# Altium PCB Brushed_PCB.PcbDoc (part 2 of 2)
Units mil, origin at the board's own origin, x right, y up, seen from the top; angles counter-clockwise.
Board outline 5346.98 x 2308.22 mil, 2 copper layers (Top Layer, Bottom Layer); 144 components, 135 nets, 552 pads, 124 vias.
Unrouted connection lines stored in the file: 100.
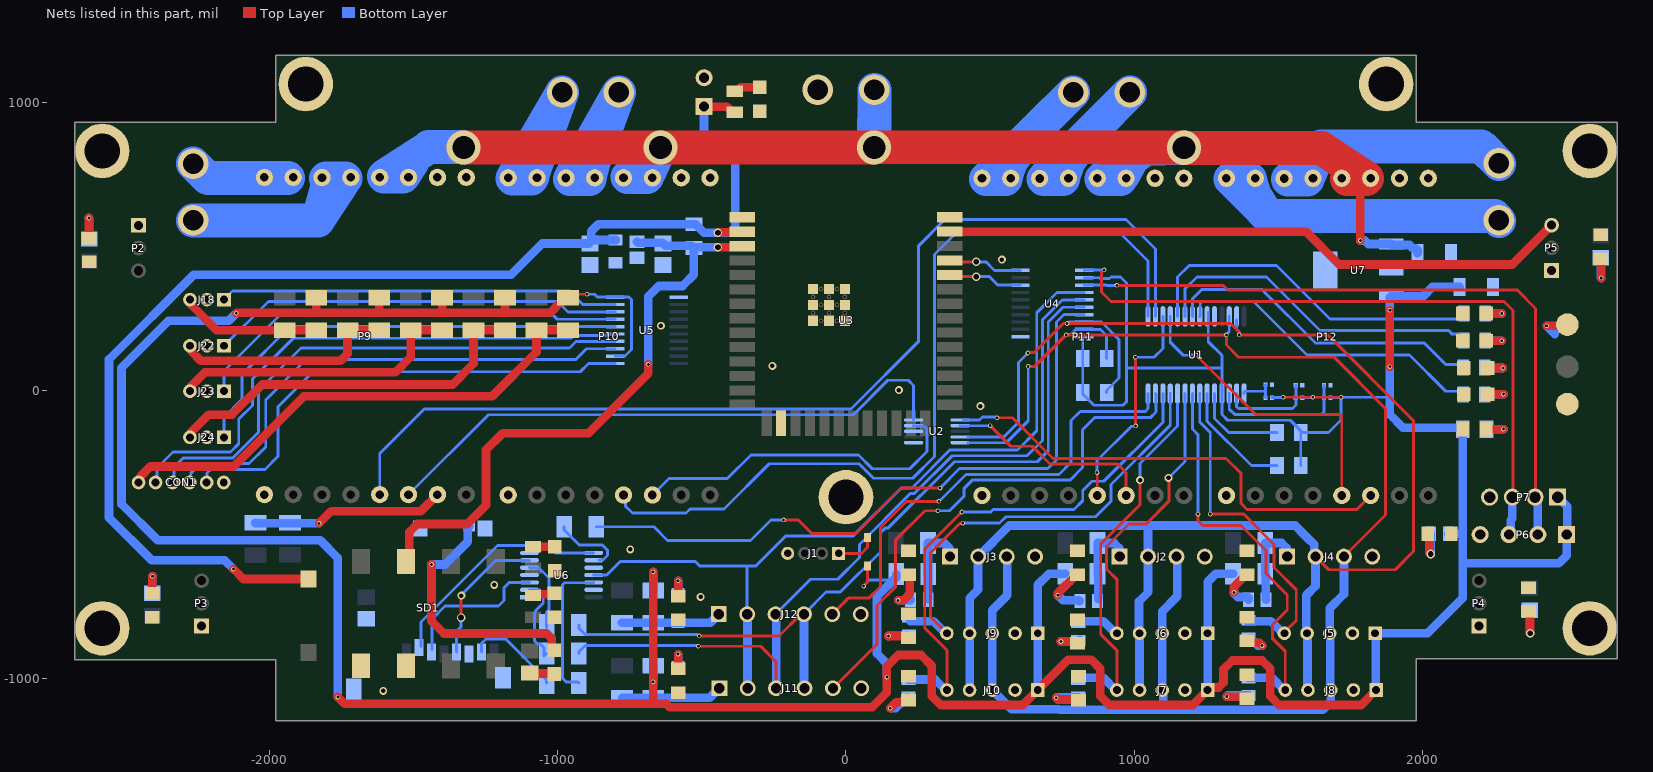
[diagram p2: the nets of this part, all layers, seen from the top]

## Via types
v1: diameter 15.75, hole 10, Top Layer to Bottom Layer, 88 vias
v2: diameter 29.53, hole 19.68, Top Layer to Bottom Layer, 20 vias
v3: diameter 27.56, hole 15.75, Top Layer to Bottom Layer, 12 vias
v4: diameter 118.11, hole 78.74, Top Layer to Bottom Layer, 4 vias

## Nets (pads, with @x,y where several pads share a name; then routed paths per layer and width w, separated by ;. In a path a pad name is that pad's centre, name@x,y a point inside that pad or via, vN(x,y) a via of type N, cw(c..) or ccw(c..) an arc to the next point about the centre after c; other vN are vias at no path point) (continued)
39: P5.3 U3.39 | length 2189.7
  Top Layer w30: U3.39@360.24,550.79 1595.87,550.79 1709.65,437.01 2310.16,437.01 P5.3@2446.37,573.21
+5: +.2 C7.1 D1.1 J5.1 J6.1 J7.1 J8.1 J9.1 J10.1 P6.1 P7.1 R1.2 R2.2 R3.2 R4.2 R34.2 T1.1 U1.9 U1.18 U4.2 U4.10 U5.2 U5.10 U7.3 W1.2 W3.2 W5.2 W7.2 W8.2 W9.2 W10.2 W18.2 W19.2 W20.2 W21.2 W22.2 W27.2 | length 16165.5
  Top Layer w10: W7.2@-964.01,320.98 -951.33,333.66 v1(-897.64,333.66) ; v1(60.82,-678.41) 60.82,-676.85 74.8,-662.87 D1.1@74.8,-608.27 ; v1(1515.75,-23.62) v1(1618.11,-23.62) v1(1716.54,-23.62)
  Top Layer w30: v1(-2114.17,267.72) -2112.87,269.02 -1836.87,269.02 ; W27.2@-1826.24,320.98 W27.2@-1836.87,320.98 -1836.87,269.02 ; v1(-1761.81,-1062.99) -1738.19,-1086.61 -668.49,-1086.61 ; -1618.65,272.64 W8.2@-1618.65,320.98 ; -1400.44,272.64 W9.2@-1400.44,320.98 ; W10.2@-1204.82,309.02 -1192.85,320.98 W10.2@-1182.22,320.98 -1182.22,269.02 ; W7.2@-964.01,320.98 -974.64,320.98 -1010.52,285.1 -1010.52,283.66 -1025.16,269.02 -1182.22,269.02 ; v1(-668.49,-628.34) -668.49,-1086.61 ; J8.1@1837.96,-1038.62 1786.35,-1090.24 1501.62,-1090.24 1471.38,-1060 1471.38,-965.04 1442.29,-935.95 1339.64,-935.95 1309.06,-966.54 1309.06,-1012.43 1291.48,-1030 1262.56,-1030 J7.1@1253.94,-1038.62 1202.32,-1090.24 912.5,-1090.24 881.89,-1059.63 881.89,-964.57 850.39,-933.07 770.28,-933.07 J10.1@664.73,-1038.62 613.12,-1090.24 328.39,-1090.24 297.24,-1059.09 297.24,-954.72 259.84,-917.32 181.1,-917.32 141.73,-956.69 v1(141.73,-993.68) 141.73,-1047.24 90.55,-1098.43 -610.68,-1098.43 -622.49,-1086.61 -668.49,-1086.61 ; v1(1885.83,82.68) v1(1885.83,278.07) ; v1(2429.13,224.41) 2497.01,224.41 T1.1@2500.8,228.2 ; -1836.87,269.02 -1182.22,269.02
  Bottom Layer w10: v1(-897.64,333.66) -872.05,333.66 -862.2,323.82 U5.10@-800.2,323.82 -752.95,323.82 -744.09,314.96 -744.09,142.17 -766.27,120 -799.29,120 U5.2@-800.2,119.09 ; v1(60.82,-678.41) 81.75,-657.48 W19.2@152.95,-657.48 ; U4.10@825.97,186.17 821.74,186.17 820.83,185.26 R3.2@820.83,110.24 R4.2@820.83,-6.4 820.83,-12.34 859.68,-51.18 960.63,-51.18 972.44,-39.37 972.44,77.69 ; U4.2@825.97,390.89 878.59,390.89 880.86,388.62 913.45,388.62 918.69,393.86 951.27,393.86 972.44,372.69 972.44,77.69 ; U1.9@1256.01,271.14 1256.01,169.18 1303.34,121.86 U1.18@1303.34,-10.68 1303.34,-82.86 1323.58,-103.11 1540.18,-103.11 1576.81,-139.73 R2.2@1576.81,-145.67 ; 1298.28,77.69 972.44,77.69 ; W5.2@1476.77,-24.75 1477.34,-24.19 1515.18,-24.19 v1(1515.75,-23.62) ; R1.2@1576.81,-259.84 R2.2@1576.81,-145.67 ; W3.2@1581.93,-24.75 1616.98,-24.75 v1(1618.11,-23.62) ; W1.2@1679.61,-24.75 1680.17,-24.19 1715.97,-24.19 v1(1716.54,-23.62) ; 1885.83,-17.07 1879.28,-23.62 v1(1716.54,-23.62) ; R2.2@1576.81,-145.67 1673.23,-145.67 1716.54,-102.36 v1(1716.54,-23.62)
  Bottom Layer w30: v1(-2114.17,267.72) -2140.25,241.64 -2348.91,241.64 -2511.81,78.74 -2511.81,-393.7 -2385.83,-519.68 -1822.83,-519.68 -1761.81,-580.71 v1(-1761.81,-1062.99) ; v1(-668.49,-1009.74) W21.2@-668.49,-953.79 ; v1(-668.49,-628.34) -667.9,-628.93 W22.2@-667.9,-693.44 ; v1(141.73,-993.68) 141.73,-946.55 107.43,-912.25 107.43,-713.63 173.88,-647.19 W19.2@173.88,-636.56 ; J10.1@664.73,-1038.62 J9.1@664.73,-841.77 664.73,-673.85 703.5,-635.08 W18.2@760.16,-635.08 ; J7.1@1253.94,-1038.62 J6.1@1253.94,-841.77 1253.94,-663.39 1282.24,-635.08 W20.2@1341.69,-635.08 ; J8.1@1837.96,-1038.62 1836.3,-1036.97 1836.3,-843.43 J5.1@1834.65,-841.77 2016.49,-841.77 2137.86,-720.41 2137.86,-599.5 ; v1(1885.83,82.68) 1885.83,-17.07 1885.83,-83.41 1931.4,-128.98 2132.35,-128.98 R34.2@2137.86,-134.48 2137.86,-496.36 ; v1(1885.83,278.07) 1885.83,323.07 1889.53,326.77 2001.1,326.77 2033.58,359.25 C7.1@2126.97,359.25 ; +.2@2088.06,-496.36 2137.86,-496.36 ; v1(2429.13,224.41) 2457.72,195.82 ; P7.1@2457.58,-359.75 2500.25,-402.42 2500.25,-498.08 P6.1@2498.67,-499.66 2498.67,-572.2 2471.37,-599.5 2137.86,-599.5 ; 2137.86,-599.5 2137.86,-496.36
Card_Detect: D12.1 SD1.9 | length 898
  Top Layer w30: v1(-1437.01,-603.31) -1437.01,-799.43 -1393.92,-842.52 -1037.46,-842.52 -1019.88,-860.09 -1019.88,-891.9 D12.1@-1011.26,-900.52
  Bottom Layer w30: v1(-1437.01,-603.31) -1390.05,-603.31 -1311.38,-524.64 -1311.38,-473.43 -1307.68,-469.73 SD1.9@-1306.69,-469.73
EN: C3.2 C5.2 R5.1 SW4.1 U3.3 | length 2195.1
  Top Layer w30: SW4.1@-1525.59,-592.72 -1525.35,-592.96 -1519.69,-592.96 -1513.78,-587.05 -1513.78,-490.4 -1486.22,-462.84 -1313.23,-462.84 -1248.03,-397.64 -1248.03,-205.8 -1190.25,-148.02 -892.76,-148.02 -685.04,59.69 v1(-685.04,90.55) ; v2(-443.9,496.06) -370.08,496.06 U3.3@-368.11,498.03
  Bottom Layer w30: C3.2@-724.58,515.75 -721.62,512.8 -636.81,512.8 C5.2@-633.86,509.84 -625.77,501.75 -535.6,501.75 R5.1@-527.52,493.67 ; v1(-685.04,90.55) -685.04,326.77 -649.61,362.2 -566.93,362.2 -527.52,401.62 R5.1@-527.52,493.67 ; v2(-443.9,496.06) -525.12,496.06 R5.1@-527.52,493.67
GND: C1.2 C2.2 C3.1 C4.1 C5.1 C6.2 C7.2 CON1.6 D2.1 D3.1 D4.1 D5.1 D6.1 D7.1 D8.1 D9.1 D10.1 D11.1 D13.1 D14.1 D15.1 D16.1 D17.1 D18.1 D19.1 D20.1 DS1.2 DS2.2 DS3.2 DS4.2 DS5.2 DS6.2 J1.4 J2.4 J3.4 J4.4 J5.2 J6.2 J7.2 J8.2 J9.2 J10.2 J11.6 J12.6 J18.2 J22.2 J23.2 J24.2 J?.P$2 P1.2 P2.1 P3.1 P4.1 P5.1 P6.4 P7.4 P9.1 P9.12 P10.1 P10.12 P11.1 P11.12 P12.1 P12.12 pad.O SD1.6 SD1.10 SD1.11 SD1.12 SD1.13 SW3.2 SW4.2 T3.1 U1.10 U2.1 U2.3 U3.1 U3.16 U3.40 U3.41 U4.11 U5.11 U6.1 U6.4 U6.7 U6.10 U6.13 U7.2 U7.4 W2.1 W4.1 W6.1
  other v3: -1604.33,-1041.34 -503.94,-715.55 -1219.49,-674.21 -748.03,-551.18 465.55,-54.13 183.07,0.98 -254.92,85.63 -641.73,224.41 540.35,453.74
I2C_1: J2.1 R13.2 W15.1 W18.1 | length 305.8
  Bottom Layer w30: W18.1@872.87,-635.08 872.87,-528.78 929.28,-528.78 946.85,-546.36 946.85,-574.06 J2.1@948.82,-576.03 ; R13.2@874.35,-724.3 W18.1@874.35,-636.56
I2C_2: J3.1 R14.2 W16.1 W19.1 | length 305.8
  Bottom Layer w30: W19.1@284.29,-635.08 W16.1@284.29,-528.78 340.69,-528.78 358.27,-546.36 358.27,-574.06 J3.1@360.24,-576.03 ; R14.2@285.77,-724.3 W19.1@285.77,-636.56
I2C_3: J4.1 R15.2 W17.1 W20.1 | length 310
  Bottom Layer w30: R15.2@1456.53,-725.78 1455.06,-724.3 1455.06,-636.56 W20.1@1453.58,-635.08 W17.1@1453.58,-528.78 1509.99,-528.78 1527.56,-546.36 1527.56,-574.06 J4.1@1529.53,-576.03
I.AIN0: P9.6 U2.5 | length 2041.7
  Bottom Layer w10: P9.6@-1516.61,-361.16 -1239.54,-84.09 25.54,-84.09 145.07,35.43 215.55,35.43 234.25,16.73 U2.5@234.25,-102.05
I.AIN1: P10.6 U2.4 | length 1182.4
  Bottom Layer w10: P10.6@-671.18,-362.65 -614.21,-305.68 -411.4,-305.68 -329.82,-224.09 43.72,-224.09 90.96,-271.34 220.79,-271.34 280.59,-211.54 280.59,-133.95 269.03,-122.39 234.6,-122.39 U2.4@234.25,-122.05
I.AIN2: P11.6 U2.7 | length 722.8
  Top Layer w10: v1(500,-122.05) 571.39,-193.43 645.66,-193.43 707.58,-255.35 941.96,-255.35 971.29,-284.69 P11.6@971.29,-364.22
  Bottom Layer w10: U2.7@395.67,-122.05 395.98,-122.36 499.68,-122.36 v1(500,-122.05)
I.AIN3: P12.6 U2.6 | length 1629.2
  Top Layer w10: v1(523.62,-94.49) 576.77,-94.49 717.64,-235.35 1318.03,-235.35 1370.08,-287.4 1370.08,-391.62 1390.67,-412.22 1770.94,-412.22 P12.6@1818.93,-364.22
  Bottom Layer w10: U2.6@407.3,-102.36 463.18,-102.36 473.18,-92.36 519.94,-92.36 522.07,-94.49 v1(523.62,-94.49)
IO0: J5.5 R16.2 U1.21 | length 1199.7
  Top Layer w10: v1(1262.74,-428.62) 1378.8,-428.62 1483.98,-533.8 1483.98,-613.54 1561.02,-690.59 1561.02,-797 1519.69,-838.34 J5.5@1519.69,-841.77
  Bottom Layer w10: U1.21@1226.57,-10.68 1226.57,-109.18 1262.74,-145.36 v1(1262.74,-428.62)
  Bottom Layer w30: R16.2@1392.17,-799.57 1472.82,-799.57 1515.02,-841.77 J5.5@1519.69,-841.77
IO1: J8.5 R19.2 U1.22 | length 1431.4
  Top Layer w10: v1(1220.47,-428.62) 1220.47,-451.68 1237.1,-468.31 1369.2,-468.31 1455.79,-554.9 1455.79,-634.75 1530.01,-708.97 1530.01,-761.01 1478.07,-812.95 1478.07,-859.01 1523,-903.94 J8.5@1523,-1038.62
  Top Layer w30: J8.5@1518.33,-1038.62 J8.5@1523,-1038.62
  Bottom Layer w10: U1.22@1200.97,-10.68 1200.97,-134.05 1220.47,-153.54 v1(1220.47,-428.62)
  Bottom Layer w30: R19.2@1395.48,-996.42 1476.13,-996.42 1518.33,-1038.62 J8.5@1523,-1038.62
IO2: J6.5 R17.2 U1.23 | length 1128.3
  Top Layer w10: J6.5@938.98,-841.77 938.35,-841.77 938.98,-841.15 938.98,-654.54 903.27,-618.83 903.27,-541.01 981.72,-462.56 1040.83,-462.56 1119.29,-384.1 v3@1119.29,-314.41
  Bottom Layer w10: v3(1118.11,-303.15) 1175.38,-245.88 U1.23@1175.38,-10.68
  Bottom Layer w30: R17.2@811.46,-799.57 892.11,-799.57 934.31,-841.77 J6.5@938.98,-841.77
IO3: J7.5 R18.2 U1.24 | length 1271.9
  Top Layer w10: J7.5@938.35,-1038.62 938.98,-1038 938.98,-900.63 883.27,-844.92 883.27,-532.73 1019.68,-396.31 v3(1019.68,-311.02)
  Top Layer w30: J7.5@938.35,-1038.62 J7.5@938.98,-1038.62
  Bottom Layer w10: v3(1019.68,-311.02) 1019.68,-253.45 1149.79,-123.34 1149.79,-46.11
  Bottom Layer w30: R18.2@811.46,-996.42 892.11,-996.42 934.31,-1038.62 J7.5@938.98,-1038.62
IO4: J9.5 R20.2 U1.25 | length 1606.2
  Top Layer w10: J9.5@349.77,-841.77 293,-785 293,-562.7 394.63,-461.07 403.75,-461.07 v1(404.85,-459.97)
  Bottom Layer w10: v1(404.85,-459.97) 532.29,-459.97 554.27,-437.99 865.4,-437.99 919.29,-384.1 919.29,-325.57 1124.2,-120.65 U1.25@1124.2,-10.68
  Bottom Layer w30: R20.2@222.25,-799.57 302.9,-799.57 345.1,-841.77 J9.5@349.77,-841.77
IO5: J10.5 R21.2 U1.26 | length 1797
  Top Layer w10: J10.5@349.77,-1038.62 349.77,-900.63 273,-823.85 273,-549.84 v1(401.57,-421.26)
  Bottom Layer w10: v1(401.57,-421.26) 501.81,-421.26 510,-413.07 790.32,-413.07 820.87,-382.52 820.87,-346.78 852.92,-314.72 893.94,-314.72 1098.61,-110.05 U1.26@1098.61,-10.68
  Bottom Layer w30: R21.2@216.54,-1002.18 308.66,-1002.18 345.1,-1038.62 J10.5@349.77,-1038.62
IO6: J11.5 U1.27 | length 1847.9
  Top Layer w10: J11.5@-45.48,-1032.52 107.43,-879.6 107.43,-745.91 171,-682.35 171,-519.56 273.55,-417.01 v1(318.9,-417.01)
  Bottom Layer w10: v1(318.9,-417.01) 358.58,-417.01 409.74,-365.85 409.74,-339.09 437.81,-311.02 776.57,-311.02 820.23,-267.36 820.23,-136.46 863.61,-93.08 1056.52,-93.08 1074.8,-74.8 1074.8,-61.12 1074.5,-60.82 1074.5,-12.16 U1.27@1073.02,-10.68
IO7: J12.5 U1.28 | length 1646.6
  Top Layer w10: J12.5@-47.45,-775.63 8.07,-720.11 79.1,-720.11 119.09,-680.12 119.09,-475.51 209.98,-384.62 v1(322.23,-384.62)
  Bottom Layer w10: v1(322.23,-384.62) 415.83,-291.02 738.06,-291.02 780.51,-248.57 780.51,-104.33 812.48,-72.36 1037.87,-72.36 1047.43,-62.8 U1.28@1047.43,-10.68
IO8: P10.5 U1.1 | length 2952.6
  Bottom Layer w10: P10.5@-771.18,-362.65 -765.12,-368.71 -765.12,-400.23 -740.16,-425.2 -554.54,-425.2 -539.99,-410.64 -422.45,-410.64 -266.03,-254.22 45.56,-254.22 95.47,-304.13 231.3,-304.13 306.67,-228.77 306.67,471.36 386.1,550.79 945.28,550.79 1047.43,448.63 U1.1@1047.43,257.04
IO9: P9.5 U1.2 | length 3638.2
  Bottom Layer w10: P9.5@-1616.61,-361.16 -1616.61,-218.25 -1462.46,-64.09 17.26,-64.09 251.97,170.62 251.97,501.97 342.52,592.52 970.97,592.52 1073.02,490.47 U1.2@1073.02,257.04
IO10: P11.5 U1.3 | length 762.4
  Top Layer w10: v1(870.69,-285.04) 870.99,-285.34 870.99,-363.92 P11.5@871.29,-364.22 ; v1(1003.14,115.02) 1003.54,114.62 1003.54,-122.37 v1(1003.94,-122.77)
  Bottom Layer w10: v1(870.69,-285.04) 870.69,-242.5 989.32,-123.87 1002.84,-123.87 v1(1003.94,-122.77) ; v1(1003.14,115.02) 1067.77,115.02 1098.61,145.86 U1.3@1098.61,257.04
IO11: P12.5 U1.4 | length 1067.2
  Top Layer w10: v1(1213.77,123.18) 1419.62,-82.68 1713.07,-82.68 1718.93,-88.54 P12.5@1718.93,-364.22
  Bottom Layer w10: U1.4@1124.2,257.04 1124.2,167.14 1169.29,122.05 1190.19,122.05 1190.9,122.76 1213.35,122.76 v1(1213.77,123.18)
IO12: R7.2 U1.5 | length 1231.2
  Bottom Layer w10: U1.5@1149.79,257.04 1149.79,392.9 1189.96,433.07 1493.11,433.07 1678.15,248.03 2126.79,248.03 2141.6,262.84 R7.2@2141.6,266.93
IO13: R8.2 U1.6 | length 1175.1
  Bottom Layer w10: U1.6@1175.38,257.04 1175.38,352.55 1216.54,393.7 1457.68,393.7 1643.7,207.68 2089.57,207.68 2102.08,195.16 2126.79,195.16 2141.6,180.35 R8.2@2141.6,172.44
IO14: R9.2 U1.7 | length 1125.3
  Bottom Layer w10: U1.7@1200.97,257.04 1200.97,318.1 1233.27,350.39 1441.51,350.39 1627.53,164.37 2005.14,164.37 2079.19,90.32 2128.71,90.32 R9.2@2139.6,79.43
IO15: R10.2 U1.8 | length 1092.6
  Bottom Layer w10: U1.8@1226.57,257.04 1228.04,258.51 1228.04,301.49 1234.62,308.07 1413.39,308.07 1598.43,123.03 1953.47,123.03 2079.19,-2.69 2128.71,-2.69 R10.2@2139.6,-13.58
L.S.6: J22.1 U5.8 | length 1434.9
  Bottom Layer w10: J22.1@-2156.5,155.03 -2002.78,308.74 -1000.11,308.74 -964.01,272.64 U5.8@-800.2,272.64
L.S.7: J23.1 U5.7 | length 1520.6
  Bottom Layer w10: J23.1@-2156.5,-2.45 -2156.5,67.91 -1953.58,270.83 -1025.19,270.83 -1001.41,247.05 U5.7@-800.2,247.05
L.S.8: J24.1 U5.6 | length 1606.4
  Bottom Layer w10: J24.1@-2156.5,-162.4 -2156.5,-93.35 -2093.5,-30.36 -2093.5,56.1 -1928.15,221.46 U5.6@-800.2,221.46
L.S.9: CON1.2 U5.5 | length 1936.9
  Bottom Layer w10: CON1.2@-2393.7,-318.9 -2388.86,-314.06 -2388.86,-268.78 -2333.66,-213.58 -2134.43,-213.58 -2105.3,-184.45 -2105.3,-99.39 -2057.44,-51.54 -2057.44,40.39 -1916.57,181.26 -952.94,181.26 -943.92,190.28 -831.38,190.28 -826.69,194.96 -801.1,194.96 U5.5@-800.2,195.87
L.S.10: CON1.3 U5.4 | length 1850.4
  Bottom Layer w10: CON1.3@-2334.65,-318.9 -2330.16,-314.41 -2330.16,-265.79 -2297.95,-233.58 -2126.15,-233.58 -2037.44,-144.87 -2037.44,-0.04 -1889.76,147.64 -958.27,147.64 -935.63,170.28 U5.4@-800.2,170.28
L.S.11: CON1.4 U5.3 | length 1780.1
  Bottom Layer w10: CON1.4@-2275.59,-318.9 -2271.65,-314.96 -2271.65,-287.05 -2238.19,-253.58 -2069.53,-253.58 -2011.81,-195.87 -2011.81,-32.48 -1872.05,107.28 -937.01,107.28 -900.7,143.59 -900.7,144.69 U5.3@-800.2,144.69
L.S.12: CON1.5 U5.1 | length 1706.5
  Bottom Layer w10: CON1.5@-2216.54,-318.9 -2215.11,-317.47 -2215.11,-285.98 -2202.72,-273.58 -2014.72,-273.58 -1969.49,-228.35 -1969.49,-56.1 -1848.43,64.96 -921.26,64.96 -892.72,93.5 U5.1@-800.2,93.5
L.S.22: J18.1 U5.9 | length 1387.8
  Bottom Layer w10: J18.1@-2156.5,314.96 -2126.81,344.65 -959.43,344.65 -913.01,298.23 U5.9@-800.2,298.23
L.S.28: J2.3 J3.3 J4.3 J5.3 J6.3 J7.3 J8.3 J9.3 J10.3 R3.1 U1.12 U2.10 U4.9 | length 5501.2
  Top Layer w10: v1(631.73,83.66) 631.81,83.74 654.61,83.74 v1(763.78,192.91) v1(1318.9,192.91) 1318.9,157.48 1361.33,115.05 1692.77,115.05 1870.94,-63.13 1870.94,-431.46 J4.3@1726.38,-576.03
  Bottom Layer w10: U2.10@422.68,-181.42 555.53,-181.42 631.73,-105.21 v1(631.73,83.66) ; v1(763.78,192.91) 764.88,194.01 778.21,194.01 789.15,204.95 789.56,204.95 795.46,210.86 825.07,210.86 U4.9@825.97,211.76 882.73,211.76 903.58,190.91 R3.1@903.58,110.24 ; v1(1318.9,192.91) 1318.9,194.47 1328.93,204.5 U1.12@1328.93,257.04
  Bottom Layer w30: J3.3@557.09,-576.03 559.38,-578.32 559.38,-709.88 507.25,-762.02 J9.3@507.25,-841.77 J10.3@507.25,-1038.62 574.18,-1105.55 737.96,-1105.55 739.46,-1107.05 1108.09,-1107.05 ; J2.3@1145.67,-576.03 1148.57,-578.93 1148.57,-713.82 1096.46,-765.94 J6.3@1096.46,-841.77 J7.3@1096.46,-1038.62 1099.76,-1041.92 1099.76,-1098.72 1108.09,-1107.05 ; J4.3@1726.38,-576.03 1726.38,-705.69 1677.17,-754.91 J5.3@1677.17,-841.77 1678.82,-843.43 1678.82,-1036.97 J8.3@1680.48,-1038.62 1681.1,-1039.25 1681.1,-1078.74 1652.79,-1107.05 1108.09,-1107.05
L.S.29: J2.2 J3.2 J4.2 J5.4 J6.4 J7.4 J8.4 J9.4 J10.4 R4.1 U1.13 U2.9 U4.8 | length 6081.2
  Top Layer w10: v1(630.91,129.92) 632.01,131.02 652.19,131.02 753.45,232.28 v1(766.74,232.28) 1333.32,232.28 1362.17,203.44 1362.17,194.01 v1(1363.27,192.91) 1670.27,192.91 1966.92,-103.74 1966.92,-558.65 1903.99,-621.58 1673.5,-621.58 J4.2@1627.95,-576.03
  Bottom Layer w10: U2.9@422.68,-161.42 547.24,-161.42 598.43,-110.24 598.43,97.44 v1(630.91,129.92) ; 773.37,237.35 U4.8@825.97,237.35 885.42,237.35 947.01,175.76 947.01,42.98 903.58,-0.46 R4.1@903.58,-6.4 ; U1.13@1354.52,244.09 1354.52,211.09 1362.17,203.44 1362.17,194.01 v1(1363.27,192.91)
  Bottom Layer w30: J10.4@428.51,-1038.62 J9.4@428.51,-841.77 428.51,-720.31 457.49,-691.33 457.49,-577.2 J3.2@458.66,-576.03 566.38,-468.31 1557.3,-468.31 1587.41,-498.42 1599.21,-510.22 1623.15,-534.15 1623.15,-571.22 J4.2@1627.95,-576.03 1627.95,-678.09 1596.15,-709.88 1596.15,-839.5 J5.4@1598.43,-841.77 1600.08,-843.43 1600.08,-1036.97 J8.4@1601.74,-1038.62 ; J7.4@1017.72,-1038.62 J6.4@1017.72,-841.77 1015.86,-839.92 1015.86,-731.54 1047.24,-700.15 J2.2@1047.24,-576.03 1047.24,-471.18
L.S.30: R25.2 U4.7 | length 2353.7
  Top Layer w10: v1(-216.54,-448.82) -165.35,-448.82 -118.82,-495.35 33.8,-495.35 190.81,-338.34 v1(326.53,-338.34)
  Bottom Layer w10: R25.2@-865.18,-472.58 R25.2@-865.31,-472.44 -665.77,-472.44 -618.52,-519.68 -330.71,-519.68 -259.84,-448.82 v1(-216.54,-448.82) ; v1(326.53,-338.34) 393.85,-271.02 699.24,-271.02 729.63,-240.63 729.63,237.15 755.42,262.94 U4.7@825.97,262.94
L.S.MISO: J11.2 J12.2 U4.4 U6.11 | length 2785.6
  Top Layer w30: J12.2@-342.73,-775.63 J12.2@-341.74,-776.61 ; J11.2@-341.74,-1031.53 J11.2@-340.76,-1032.52
  Bottom Layer w10: U6.11@-874.99,-640 -829.77,-640 -782.67,-592.9 -522.83,-592.9 -507.08,-608.65 -342.52,-608.65 ; J12.2@-342.68,-775.58 -342.68,-608.82 -342.52,-608.65 ; U4.4@825.97,339.71 731.88,339.71 661.42,269.25 661.42,-139.89 594.89,-206.42 359.9,-206.42 228.65,-337.67 191.48,-337.67 25.21,-503.94 -207.89,-503.94 -312.61,-608.65 -342.52,-608.65
  Bottom Layer w30: J12.2@-341.74,-776.61 -341.74,-1031.53 J11.2@-340.76,-1032.52
L.S.MOSI: J11.3 J12.3 R23.2 U4.5 | length 2865
  Top Layer w10: v1(-511.57,-886.86) -295.8,-886.86 -242.33,-940.33 J11.3@-242.33,-1032.52
  Bottom Layer w10: R23.2@-926.34,-911.66 -926.34,-906.21 -904.37,-884.24 -515.75,-884.24 -513.13,-886.86 v1(-511.57,-886.86) ; J12.3@-244.3,-775.63 -123.36,-654.68 -28.7,-654.68 46.93,-579.06 46.93,-533.78 223.03,-357.67 236.93,-357.67 368.19,-226.42 627.91,-226.42 681.42,-172.91 681.42,245.51 750.03,314.12 U4.5@825.97,314.12
  Bottom Layer w30: J12.3@-244.3,-775.63 -242.33,-777.6 J11.3@-242.33,-1032.52
L.S.RXD0: P6.2 P7.2 U4.3 | length 2382.3
  Top Layer w10: v1(938.98,364.17) 1308.17,364.17 1324.39,347.95 2327.24,347.95 2390.8,284.4 P7.2@2390.8,-362.2
  Bottom Layer w10: U4.3@825.97,365.3 826.39,365.72 901.26,365.72 902.81,364.17 v1(938.98,364.17)
  Bottom Layer w30: P7.2@2389.26,-369.31 P7.2@2389.81,-368.75 ; P6.2@2398.67,-499.66 P7.2@2398.67,-363.43
L.S.SCK: J11.4 J12.4 R24.2 U4.6 | length 2803.7
  Top Layer w10: v1(-508.61,-851.13) -232.45,-851.13 -156.95,-775.63 J12.4@-145.88,-775.63 ; J11.4@-144.12,-1032.3 J11.4@-143.91,-1032.52
  Bottom Layer w10: R24.2@-926.34,-813.23 -926.34,-823.86 -904.37,-845.83 -515.47,-845.83 -510.17,-851.13 v1(-508.61,-851.13) ; J12.4@-145.88,-775.63 -69.07,-698.82 -20.2,-698.82 119.09,-559.52 119.09,-494.67 137.58,-476.18 146.7,-476.18 375.84,-247.05 663.39,-247.05 701.42,-209.02 701.42,237.22 752.73,288.53 U4.6@825.97,288.53
  Bottom Layer w30: J12.4@-145.88,-775.63 -145.88,-1030.55 J11.4@-143.91,-1032.52
L.S.TXD0: P6.3 P7.3 U4.1 | length 2377.1
  Top Layer w10: v1(894.68,418.31) 885.79,409.41 885.79,341.57 919.29,308.07 2281.5,308.07 2312.06,277.51 P7.3@2312.06,-362.2
  Bottom Layer w10: U4.1@825.97,416.48 826.88,417.39 893.77,417.39 v1(894.68,418.31)
  Bottom Layer w30: P6.3@2298.67,-499.66 2304.23,-494.1 2304.23,-450.12 2310.09,-444.27 P7.3@2310.09,-369.74
NetC1_1: C1.1 C2.1 P1.1 R5.2 R6.2 S1.1 U3.2 | length 4492.8
  Top Layer w30: v1(-2124.02,-619.34) -2089.81,-653.54 -1863.88,-653.54 S1.1@-1863.4,-653.06 ; P1.1@-492.13,984.25 -413.39,984.25 -393.7,964.57 R6.2@-385.83,964.57 ; v2(-443.9,547.24) -443.11,548.03 U3.2@-366.14,548.03
  Bottom Layer w30: v1(-2124.02,-619.34) -2154.65,-588.71 -2407.36,-588.71 -2555.12,-440.94 -2555.12,107.44 -2260.99,401.57 -1161.42,401.57 -1053.15,509.84 C2.1@-890.97,509.84 ; C2.1@-883.53,521.72 C1.1@-799.21,521.72 ; C2.1@-882.85,522.4 -882.85,552.4 -859.16,576.09 R5.2@-527.84,576.09 ; R5.2@-527.52,576.41 -521.58,576.41 -492.41,547.24 v2(-443.9,547.24) -401.43,547.24 -383.86,564.82 -383.86,824.8 -409.45,850.39 -468.5,850.39 -492.13,874.02 P1.1@-492.13,984.25
NetCON1_1: CON1.1 W7.1 W11.1 | length 1757.4
  Top Layer w30: CON1.1@-2445.47,-315.94 -2449.4,-312.02 -2449.4,-303.12 -2445.47,-299.2 -2445.47,-297.45 -2411.8,-263.78 -2123.19,-263.78 -1879.1,-19.68 -1226.11,-19.68 -1073.11,133.31 W11.1@-1073.11,209.09 W7.1@-964.01,209.09
NetD2_2: D2.2 R6.1 | length 92.3
  Top Layer w30: R6.1@-385.83,1037.4 -377.95,1037.4 -364.17,1051.18 D2.2@-299.21,1051.18
NetD3_2: D3.2 R13.1 | length 186
  Top Layer w30: v1(734.61,-709.88) 734.61,-703.25 798.84,-639.02 D3.2@802.77,-639.02
  Bottom Layer w30: v1(734.61,-709.88) 734.61,-710.17 752.18,-727.75 807.01,-727.75 808.98,-729.72 R13.1@810.81,-729.72
NetD4_2: D4.2 R14.1 | length 169.9
  Top Layer w30: v1(180.91,-727.75) 199.35,-727.75 221.27,-705.83 D4.2@221.27,-639.16 ; D4.2@221.58,-639.02 D4.2@228.44,-632.15
  Bottom Layer w30: v1(180.91,-727.75) 222.23,-727.75 R14.1@224.2,-725.78
NetD5_2: D5.2 R15.1 | length 148.2
  Top Layer w30: v1(1345.24,-699.86) 1345.24,-680.55 1379.97,-645.82 1383.91,-645.82 D5.2@1390.56,-639.16
  Bottom Layer w30: v1(1345.24,-699.86) 1345.24,-703.11 1358.06,-715.93 1391.66,-715.93 1395.46,-719.73 R15.1@1395.46,-725.78
NetD6_2: D6.2 R16.1 | length 103.8
  Top Layer w30: D6.2@1394.74,-868.74 1401.15,-875.15 1433.58,-875.15 v1(1442.91,-884.48)
  Bottom Layer w30: R16.1@1403.93,-860.09 1428.32,-884.48 v1(1442.91,-884.48)
NetD7_2: D7.2 R17.1 | length 128.7
  Top Layer w30: v1(745.44,-870.27) 745.73,-870.55 796.12,-870.55 D7.2@802.77,-877.21
  Bottom Layer w30: v1(745.44,-870.27) 745.5,-870.2 805.65,-870.2 R17.1@811.46,-864.39
NetD8_2: D8.2 R18.1 | length 157.7
  Top Layer w30: v1(729.14,-1065.35) 735.15,-1071.35 803.04,-1071.35 D8.2@805.74,-1074.06
  Bottom Layer w30: v1(729.14,-1065.35) 731.23,-1063.26 R18.1@805.74,-1063.26
NetD9_2: D9.2 R19.1 | length 156.4
  Top Layer w30: v1(1320.01,-1061.09) 1320.56,-1061.64 1386.42,-1061.64 D9.2@1395.48,-1070.71
  Bottom Layer w30: v1(1320.01,-1061.09) 1323.61,-1057.5 R19.1@1395.48,-1057.5
NetD10_2: D10.2 R20.1 | length 123
  Top Layer w30: v1(147.43,-851.11) D10.2@204.33,-851.11
  Bottom Layer w30: v1(147.43,-851.11) 148.66,-849.89 212.09,-849.89 R20.1@212.72,-850.52
NetD11_2: D11.2 R21.1 | length 150.9
  Top Layer w30: v1(153.34,-1101.81) 174.43,-1080.71 209.88,-1080.71 D11.2@216.54,-1074.06
  Bottom Layer w30: v1(153.34,-1101.81) 171.94,-1101.81 208.4,-1065.35 R21.1@214.41,-1065.35
NetD12_2: D12.2 R26.1 | length 86.9
  Top Layer w30: R26.1@-1096.73,-979.77 -1095.02,-981.48 -1012.98,-981.48 D12.2@-1011.26,-983.2
NetD13_2: D13.2 R27.1 | length 96.5
  Top Layer w30: D13.2@-581.88,-964.95 v1(-581.88,-914.24)
  Bottom Layer w30: R27.1@-581.88,-960.03 v1(-581.88,-914.24)
NetD14_2: D14.2 R28.1 | length 101.4
  Top Layer w30: D14.2@-581.88,-712.98 v1(-581.88,-659.83)
  Bottom Layer w30: R28.1@-581.88,-708.06 v1(-581.88,-659.83)
NetD15_2: D15.2 R29.1 | length 137.8
  Top Layer w30: D15.2@2617.08,457.05 2618.37,455.75 v1(2618.37,390.16)
  Bottom Layer w30: R29.1@2617.08,459.97 2617.08,391.45 v1(2618.37,390.16)
NetD16_2: D16.2 R30.1 | length 118.8
  Top Layer w30: D16.2@-2404.96,-702.73 -2404.96,-644.41 v1(-2404.53,-643.97)
  Bottom Layer w30: R30.1@-2404.96,-703.69 -2404.96,-644.41 v1(-2404.53,-643.97)
NetD17_2: D17.2 R31.1 | length 137.8
  Top Layer w30: v1(-2624.91,598.05) -2624.91,532.45 D17.2@-2623.61,531.16
  Bottom Layer w30: v1(-2624.91,598.05) -2623.61,596.75 R31.1@-2623.61,528.23
NetD18_2: D18.2 R32.1 | length 162
  Top Layer w30: D18.2@2366.14,-765.82 2372.05,-765.82 v2(2372.05,-841.54)
  Bottom Layer w30: R32.1@2370.67,-762.57 2370.67,-841.54 v2(2372.05,-841.54)
NetD19_2: +.1 D19.2 | length 146.1
  Top Layer w30: D19.2@2016.19,-496.36 2022.84,-503.01 2022.84,-562.21 v2(2027.56,-566.93)
  Bottom Layer w30: +.1@2026.99,-496.36 2026.99,-566.36 v2(2027.56,-566.93)
NetD20_2: D20.2 R34.1 | length 118.4
  Top Layer w30: D20.2@2220.57,-134.48 2278.9,-134.48 v1(2279.53,-133.86)
  Bottom Layer w30: R34.1@2220.6,-134.48 2278.9,-134.48 v1(2279.53,-133.86)
NetDS1_1: DS1.1 R7.1 | length 110.2
  Top Layer w30: DS1.1@2220.38,266.93 v1(2273.53,266.93)
  Bottom Layer w30: R7.1@2216.47,266.93 v1(2273.53,266.93)
NetDS2_1: DS2.1 R8.1 | length 110.2
  Top Layer w30: DS2.1@2220.38,172.44 v1(2273.53,172.44)
  Bottom Layer w30: R8.1@2216.47,172.44 v1(2273.53,172.44)
NetDS3_1: DS3.1 R9.1 | length 110.2
  Top Layer w30: DS3.1@2224.32,77.96 v1(2277.46,77.96)
  Bottom Layer w30: R9.1@2220.41,77.96 v1(2277.46,77.96)
NetDS4_1: DS4.1 R10.1 | length 110.2
  Top Layer w30: DS4.1@2226.28,-12.6 v1(2279.43,-12.6)
  Bottom Layer w30: R10.1@2222.38,-12.6 v1(2279.43,-12.6)
NetDS5_1: DS5.1 R11.1 | length 78.1
  Top Layer w30: R11.1@-1085.48,-710.83 -1081.56,-706.91 -1014.59,-706.91 DS5.1@-1010.67,-702.99
NetDS6_1: DS6.1 R12.1 | length 74.8
  Top Layer w30: R12.1@-1084.56,-541.71 DS6.1@-1009.78,-541.72
NetJ13_P$1: J13.P$1 P9.10 | length 789.4
  Bottom Layer w118.11: J13.P$1@-2263.7,589.71 -1831,589.71 ; P9.10@-1802.36,735.43 -1735.43,735.43 -1758.64,700.04 -1831,589.71 ; -1799.21,700.79 -1831,589.71
NetJ13_P$2: J13.P$2 P9.9 | length 345.5
  Bottom Layer w118.11: J13.P$2@-2263.7,786.56 -2215.32,738.19 -2214.67,738.84 ; -2211.61,736.22 P9.9@-1935.43,736.22
NetJ14_P$1: J14.P$1 P10.10 | length 736.3
  Bottom Layer w118.11: P10.10@-890.01,733.94 -889.84,738.1 P10.10@-890.01,733.94 ; P10.10@-890.01,733.94 -888.3,741.31 -881.75,769.64 cw(c-756.93,740.76) -877.42,784.29 J14.P$1@-787.4,1033.46 -934.67,773.28 -956.93,733.94 P10.10@-890.01,733.94
NetJ14_P$2: J14.P$2 P10.9 | length 729
  Bottom Layer w118.11: P10.9@-1156.93,734.73 -1134.32,773.85 J14.P$2@-984.25,1033.46 -1077.32,777.76 ccw(c-956.93,733.94) -1080.06,769.33 -1087.87,742.15 -1090.01,734.73 P10.9@-1156.93,734.73
NetJ15_P$1: J15.P$1 P11.10 | length 873.9
  Bottom Layer w118.11: P11.10@685.54,733.94 729.22,777.74 J15.P$1@984.25,1033.46 862.34,911.22 785.07,813.43 ccw(c885.54,733.94) 762.21,768.6 754.32,740.54 752.47,733.94 P11.10@685.54,733.94
NetJ15_P$2: J15.P$2 P11.9 | length 879.5
  Bottom Layer w118.11: P11.9@485.54,733.16 529.95,777.34 J15.P$2@787.4,1033.46 665.55,912.24 586.22,814.86 ccw(c685.54,733.94) 561.99,767.8 554.46,740.4 552.47,733.16 P11.9@485.54,733.16
NetJ16_P$1: J16.P$1 P12.10 | length 983.4
  Bottom Layer w118.11: P12.10@1600.11,732.37 1533.18,732.37 1566.64,765.83 1577.76,776.95 1647.27,846.46 ; P12.10@1604.06,741.92 1647.27,846.46 ; J16.P$1@2263.81,784.99 2202.35,846.46 1647.27,846.46
NetJ16_P$2: J16.P$2 P12.9 | length 1199.4
  Bottom Layer w118.11: P12.9@1400.11,733.16 1333.18,733.16 1368.15,698.18 1413.1,653.23 1462.08,604.26 ; P12.9@1400.76,730.78 1409.64,698.44 ccw(c1533.18,732.37) 1424.46,664.6 1462.08,604.26 ; J16.P$2@2263.81,588.14 2247.7,604.26 1462.08,604.26
NetJ18_3: J18.3 W27.1 W28.1 | length 489.8
  Top Layer w30: J18.3@-2274.61,314.96 -2271.31,311.66 -2271.31,297.72 -2182.68,209.09 W28.1@-1945.98,209.09 W27.1@-1836.87,209.09
NetJ22_3: J22.3 W8.1 W12.1 | length 777
  Top Layer w30: J22.3@-2274.61,155.03 -2271.31,151.73 -2271.31,137.79 -2236.93,103.42 -1751.9,103.42 -1728.35,126.97 -1728.35,208.51 W12.1@-1727.76,209.09 W8.1@-1618.65,209.09
NetJ23_3: J23.3 W9.1 W13.1 | length 1024.4
  Top Layer w30: J23.3@-2274.61,-2.45 -2271.31,0.85 -2271.31,14.79 -2222.68,63.42 -1562.27,63.42 -1509.55,116.14 W13.1@-1509.55,209.09 W9.1@-1400.44,209.09
NetJ24_3: J24.3 W10.1 W14.1 | length 1322.1
  Top Layer w30: J24.3@-2274.61,-162.4 -2271.31,-159.1 -2271.31,-145.16 -2209.8,-83.66 -2128.73,-83.66 -2024.12,20.94 -1363.9,20.94 -1291.33,93.51 W14.1@-1291.33,209.09 W10.1@-1182.22,209.09
NetP9_7: P9.7 W25.1 W26.1 | length 672.4
  Top Layer w30: v1(-1826.77,-460.63) -1785.29,-419.15 -1474.6,-419.15 P9.7@-1416.61,-361.16
  Bottom Layer w30: W26.1@-2047.24,-459.31 -2045.93,-460.63 v1(-1826.77,-460.63)
NetR1_1: R1.1 U1.20 | length 401.2
  Bottom Layer w10: U1.20@1252.16,-10.68 1252.16,-106.49 1405.51,-259.84 R1.1@1494.06,-259.84
NetR2_1: R2.1 U1.19 | length 322.6
  Bottom Layer w10: U1.19@1277.75,-10.68 1277.75,-96.64 1326.77,-145.67 R2.1@1494.06,-145.67
NetR22_1: R22.1 U6.12 | length 498.5
  Bottom Layer w10: R22.1@-926.34,-1014.02 -930.28,-1010.08 -970.47,-1010.08 -982.28,-998.27 -982.28,-672.41 -976.43,-666.55 -875.94,-666.55 U6.12@-874.99,-665.59
NetR22_2: R22.2 SD1.7 | length 330.3
  Bottom Layer w10: SD1.7@-1263.39,-906.14 -1263.39,-876.62 -1248.39,-861.62 -1180,-861.62 -1038.23,-1003.39 R22.2@-1038.23,-1014.02
NetR23_1: R23.1 U6.2 | length 314
  Bottom Layer w10: U6.2@-1097.46,-691.18 -1096.5,-692.14 -1060.8,-692.14 -1049.87,-703.07 -1049.87,-736.93 -1075,-762.06 -1075,-764.22 -1080.2,-769.42 -1080.2,-868 -1069.14,-879.06 -1060.2,-879.06 -1047.09,-892.17 -1047.09,-920.51 R23.1@-1038.23,-911.66
NetR24_1: R24.1 U6.5 | length 257.5
  Bottom Layer w10: U6.5@-1097.46,-614.41 -1096.5,-615.37 -1065.19,-615.37 -1029.87,-650.68 -1029.87,-759.25 -1038.4,-767.77 R24.1@-1038.4,-822.09
NetR25_1: R25.1 U6.9 | length 244.4
  Bottom Layer w10: R25.1@-977.2,-472.44 -977.2,-483.07 -925.19,-535.08 -846.23,-535.08 -827.4,-553.91 -827.4,-572.55 -842.72,-587.87 U6.9@-857.02,-587.87
NetSD1_2: SD1.2 U6.8 | length 804.3
  Bottom Layer w10: SD1.2@-1473.41,-888.03 -1473.41,-802.51 -1208.54,-537.64 -1032.47,-537.64 -1006.87,-563.23 U6.8@-874.99,-563.23
NetSD1_3: SD1.3 U6.3 | length 521.8
  Bottom Layer w10: SD1.3@-1436.01,-897.88 -1436.01,-793.39 -1390.13,-747.51 -1205.28,-747.51 -1185.62,-727.86 -1185.62,-683.81 -1167.4,-665.59 U6.3@-1097.46,-665.59
NetSD1_5: SD1.5 U6.6 | length 489.9
  Top Layer w10: v2(-1334.65,-787.4) -1334.25,-787 -1334.25,-711.41 v3(-1333.85,-711.01)
  Bottom Layer w10: SD1.5@-1350,-906.14 -1350,-834.49 -1334.65,-819.14 v2(-1334.65,-787.4) ; v3(-1333.85,-711.01) -1333.85,-709.1 -1213.57,-588.82 U6.6@-1097.46,-588.82
NetU1_15: U1.15 W5.1 W6.2 | length 125
  Bottom Layer w10: U1.15@1380.11,-10.68 1380.11,-6.1 1383.67,-2.53 1454.65,-2.53 ; W5.1@1454.65,-24.75 1454.65,-2.53 ; W6.2@1454.65,19.69 1454.65,-2.53
NetU1_16: U1.16 W3.1 W4.2 | length 327.9
  Bottom Layer w10: U1.16@1354.52,-10.68 1354.52,-56.82 1360.38,-62.68 1547.56,-62.68 1559.8,-50.43 W3.1@1559.8,-24.75 W4.2@1559.8,18.55
NetU1_17: U1.17 W1.1 W2.2 | length 486.9
  Bottom Layer w10: U1.17@1328.93,-10.68 1328.93,-65.15 1346.46,-82.68 1649.61,-82.68 1657.48,-74.8 W1.1@1657.48,-24.75 W2.2@1657.48,18.55
RXD0: U3.36 U4.18 | length 257.9
  Top Layer w10: U3.36@360.24,400.79 399.53,394.83 v2(451.96,394.83)
  Bottom Layer w10: v2(451.96,394.83) 496.57,394.83 526.09,365.3 U4.18@605.5,365.3
SPI_1: J11.1 R27.2 W21.1 W23.1 | length 349.3
  Bottom Layer w30: W23.1@-774.79,-1065.68 -668.49,-1065.68 -581.88,-1065.68 -472.34,-1065.68 J11.1@-439.18,-1032.52
SPI_2: J12.1 R28.2 W22.1 W24.1 | length 347.6
  Bottom Layer w30: W24.1@-776.42,-805.33 W22.1@-667.9,-805.33 -581.88,-805.33 -470.85,-805.33 J12.1@-441.15,-775.63
TXD0: U3.37 U4.20 | length 257.8
  Top Layer w10: U3.37@360.24,450.79 399.53,446.01 v2(451.96,446.01)
  Bottom Layer w10: v2(451.96,446.01) 485.42,446.01 514.95,416.48 U4.20@605.5,416.48
VBUS: D1.2 J1.1 | length 142.7
  Top Layer w10: J1.1@-25.26,-564.88 53.62,-564.88 74.8,-543.7 D1.2@74.8,-509.84
VCC: C6.1 J?.P$1 P9.11 P10.11 P11.11 P12.11 U7.1 | length 5195.6
  Top Layer w30: v1(1783.46,520) 1783.46,717.96 ; P12.11@1804.69,733.94 1806.52,735.78 P12.11@1818.93,735.78
  Top Layer w118.11: v4(-1325.79,842.52) v4(-642.84,842.51) ; v4(-642.84,842.51) 97.37,842.51 97.93,843.08 98.5,843.65 885.54,842.09 949.49,841.97 v4(1171.61,841.53) 1649.17,840.59 ; v4(97.65,842.79) v4@97.93,843.07 ; P12.11@1737.76,733.94 P12.11@1804.69,733.94 ; 1745.51,774.53 1649.17,840.59 ; P12.11@1806.52,735.78 1745.85,776.19 1649.17,840.59
  Bottom Layer w30: v1(1783.46,520) 1798.9,520 1811.02,507.87 U7.1@1889.76,507.87 1893.46,504.17 1953.5,504.17 1964.8,492.87 1975.63,492.87 1981.3,487.2 C6.1@1981.3,476.38
  Bottom Layer w118.11: -1502.68,793.67 -1531.54,748.36 -1535.43,742.25 -1602.36,742.25 -1543.75,780.47 -1446.85,843.65 -1326.92,843.65 v4(-1325.79,842.52) ; v4@97.93,843.08 J?.P$1@98.5,1042.47 ; 982.87,786.71 960.68,748.2 957.95,743.46 952.47,733.94 885.54,733.94 931.66,764.92 945.48,774.2 977.04,795.4 979.38,796.97 1014.31,820.43 1038.54,836.7 v4(1171.61,841.53) ; P10.11@-756.93,740.76 -710.86,781.85 v4(-642.84,842.51) -687.98,745.14 -690.01,740.76 P10.11@-756.93,740.76
pads on no net: P9.4 P9.8 P10.4 P10.7 P10.8 P11.4 P11.7 P11.8 P12.4 P12.7 P12.8 SD1.1 SD1.8 U1.11 U1.14 U2.2 U3.15 U3.41_10 U3.41_11 U3.41_12 U3.41_13 U3.41_14 U3.41_15 U3.41_16 U3.41_17 U3.41_18 U3.41_19 U3.41_20 U3.41_21

## Polygon pours and split planes (outlines as drawn)
GND on Bottom Layer "NONET_L-01_P-001" (solid, pour order 2): -2673.49,-925.05 -1976.38,-925.05 -1976.38,-1137.8 1976.38,-1137.8 1976.38,-929.85 2673.49,-929.85 2673.49,938.14 1976.38,938.14 1976.38,1170.42 -1976.38,1170.42 -1976.38,938.14 -2673.49,938.14 -2673.49,-925.05
GND on Top Layer "NONET_L-01_P-001" (solid, pour order 0): -2673.49,-932.92 -1976.38,-932.92 -1976.38,-1145.67 1976.38,-1145.67 1976.38,-937.73 2673.49,-937.73 2673.49,930.27 1976.38,930.27 1976.38,1162.55 -1976.38,1162.55 -1976.38,930.26 -2673.49,930.26 -2673.49,-932.93

## Silkscreen, mask and mechanical layers (free items; w line width, h text height)
Top Overlay:
  lines w10: -2409.45,-216.54 -2409.45,-181.1 ; -2409.45,-94.49 -2409.45,312.55 -2367.13,312.55 ; -2409.45,-4.87 -2367.13,-4.87 ; -2409.45,152.61 -2367.13,152.61 ; -1946,157.48 -1945.98,137.8 -1836.87,137.8 -1836.89,157.48 ; -1727.78,157.48 -1727.76,137.8 -1618.66,137.8 -1618.67,157.48 ; -1509.57,157.48 -1509.55,137.8 -1400.44,137.8 -1400.46,157.48 ; -1291.35,157.48 -1291.33,137.8 -1182.22,137.8 -1182.24,157.48 ; -1073.13,157.48 -1073.12,137.8 -964.01,137.8 -964.03,157.48 ; -620.7,-919.68 -648.26,-884.24 -616.77,-844.87 ; 506.89,-442.91 507.05,-467.52 ; 506.89,-442.76 990.16,-441.93 ; 1202.76,-441.93 1686.02,-442.76 ; 1685.87,-467.52 1686.02,-442.91 ; -2673.49,-932.92 -2673.49,930.26 -1976.38,930.26 -1976.38,1162.55 1976.38,1162.55 1976.38,930.27 2673.49,930.27 2673.49,-930.96 2068.1,-930.96 1976.38,-930.96 1976.38,-1145.67 -1976.38,-1145.67 -1976.38,-932.92 -2065.76,-932.92 -2673.49,-932.92
  text "Aux" at -558.26,986.38 h78.74 r90
  text "PWR" at 225.39,985.24 h200
  text "QTR-4" at 2390.75,671.48 h78.74
  text "QTR-1" at -2550.2,667.55 h78.74
  text "3.3v" at -1925.68,370.87 h78.74 r90
  text "5v" at -1816.93,370.87 h78.74 r90
  text "3.3v" at -1707.4,370.87 h78.74 r90
  text "5v" at -1598.64,370.87 h78.74 r90
  text "3.3v" at -1489.11,370.87 h78.74 r90
  text "5v" at -1380.36,370.87 h78.74 r90
  text "3.3v" at -1270.83,370.87 h78.74 r90
  text "5v" at -1162.07,370.87 h78.74 r90
  text "3.3v" at -1052.55,370.87 h78.74 r90
  text "5v" at -943.79,370.87 h78.74 r90
  text "LED-4" at 2299.12,253.15 h49.21
  text "5v" at 2547.24,209.66 h78.74
  text "LED-3" at 2299.12,158.66 h49.21
  text "LED-2" at 2303.06,64.18 h49.21
  text "3.3v" at 2547.24,59.98 h78.74
  text "LED-1" at 2305.02,-26.38 h49.21
  text "GND" at 2547.24,-73.65 h78.74
  text "ON" at 2316.93,-157.31 h78.74
  text "GPIO" at -2491.85,-162.06 h78.74
  text "I2C" at 1011.78,-466.54 h78.74
  text "Serial" at 2618.93,-480.31 h78.74 r90
  text "QTR-2" at -2286.42,-548.99 h78.74
  text "USB" at -393.7,-565.78 h78.74
  text "C PWR" at -1948.18,-581.94 h78.74
  text "LED-2" at -944.88,-618.32 h39.37 r90
  text "QTR-3" at 2338.58,-624.78 h78.74
  text "LED-1" at -944.88,-783.96 h39.37 r90
  text "SPI" at -746.69,-906.71 h78.74
  text "Boot" at -1731.57,-999.37 h59.06 r90
  text "EN" at -1574.33,-999.37 h59.06 r90
  text "B1" at -1418.82,-1000 h59.06 r90
  text "B2" at -1263.31,-1000 h59.06 r90
  text "Card Detect" at -931.68,-1014.9 h39.37 r90
Bottom Overlay:
  drawing of 64 lines, arcs and shapes, not listed
  text "IN" at -2364.32,556.72 h59.06
  text "IN" at 2395.19,549.59 h59.06
  text "3.3v" at 2395.19,475.48 h59.06
  text "3.3v" at -2322.57,474.74 h59.06
  text "GND" at 2395.19,400.85 h59.06
  text "GND" at -2321.02,396.17 h59.06
  text "GND" at -2234.37,366.14 h59.06 r270
  text "IO" at -2175.32,366.14 h59.06 r270
  text "Vcc" at -2293.54,358.27 h59.06 r270
  text "Vcc" at 485,42.5 h59.06 r270
  text "SCL" at 642.6,37.37 h59.06 r270
  text "SDA" at 563.86,31.5 h59.06 r270
  text "GND" at 721.34,29.08 h59.06 r270
  text "GND" at 1783.46,12.39 h39.37
  text "Vcc" at 1782.48,-36.9 h39.37
  text "GND" at 2251.15,-240.62 h59.06 r90
  text "Vcc" at 2487.49,-254.04 h59.06 r90
  text "Rx" at 2409.5,-276.56 h59.06 r90
  text "Tx" at 2330.76,-278.58 h59.06 r90
  text "Vcc" at -2471.69,-283.46 h59.06 r270
  text "IO" at -2412.52,-283.46 h59.06 r270
  text "IO" at -2353.47,-283.46 h59.06 r270
  text "IO" at -2294.41,-283.46 h59.06 r270
  text "IO" at -2235.36,-283.46 h59.06 r270
  text "GND" at -2176.3,-283.46 h59.06 r270
  text "3.3v" at 260.05,-434.46 h49.21
  text "3.3v" at 847.81,-434.46 h49.21
  text "3.3v" at 1429.34,-434.46 h49.21
  text "5v" at 247.79,-475.87 h49.21
  text "5v" at 835.55,-475.87 h49.21
  text "5v" at 1417.08,-475.87 h49.21
  text "Vcc" at 931.55,-521.74 h59.06 r270
  text "Vcc" at 1512.26,-521.74 h59.06 r270
  text "Vcc" at 343.95,-522.72 h59.06 r270
  text "SCL" at 1128.52,-526.86 h59.06 r270
  text "SCL" at 1709.23,-526.86 h59.06 r270
  text "SCL" at 540.92,-527.85 h59.06 r270
  text "SDA" at 1030.09,-532.74 h59.06 r270
  text "SDA" at 1610.8,-532.74 h59.06 r270
  text "SDA" at 442.49,-533.72 h59.06 r270
  text "GND" at 639.34,-536.14 h59.06 r270
  text "GND" at 1226.94,-535.16 h59.06 r270
  text "GND" at 1807.65,-535.16 h59.06 r270
  text "IN" at -2145.67,-675.2 h59.06
  text "IN" at 2144.65,-683.07 h59.06
  text "3.3v" at -2103.92,-757.18 h59.06
  text "3.3v" at 2144.65,-757.18 h59.06
  text "GND" at 2144.65,-831.81 h59.06
  text "GND" at -2102.36,-835.75 h59.06
  text "3.3v" at -738.19,-894.98 h59.06
  text "5v" at -649.61,-894.92 h59.06
  text "SS" at -64.1,-932.94 h59.06 r270
  text "VCC" at -457.8,-947.26 h59.06 r270
  text "SCK" at -162.52,-947.46 h59.06 r270
  text "GND" at 34.33,-949.56 h59.06 r270
  text "MISO" at -359.37,-958.66 h59.06 r270
  text "MOSI" at -260.95,-958.32 h59.06 r270
  text "Xs" at 332.44,-965.72 h59.06 r270
  text "Xs" at 923.67,-965.72 h59.06 r270
  text "Xs" at 1504.69,-965.72 h59.06 r270
  text "Vcc" at 643.46,-977.04 h59.06 r270
  text "Vcc" at 1234.69,-977.04 h59.06 r270
  text "Vcc" at 1815.71,-977.04 h59.06 r270
  text "SCL" at 486.1,-979.6 h59.06 r270
  text "SCL" at 1077.32,-979.6 h59.06 r270
  text "SCL" at 1658.34,-979.6 h59.06 r270
  text "SDA" at 407.36,-982.54 h59.06 r270
  text "SDA" at 998.58,-982.54 h59.06 r270
  text "SDA" at 1579.6,-982.54 h59.06 r270
  text "GND" at 564.84,-983.75 h59.06 r270
  text "GND" at 1156.06,-983.75 h59.06 r270
  text "GND" at 1737.08,-983.75 h59.06 r270
Top Assembly:
  lines w10: -553.95,604.28 -553.95,843.65 1.17,843.65 492.13,843.65 492.13,668.44 556.29,604.28

## Text inside footprints (layer, text, board x,y; h text height)
U3: Mechanical 13 "ANTENNA" at -177.17,767.72 h50